# Altium PCB Main_Board.PcbDoc (part 2 of 2) (continued)
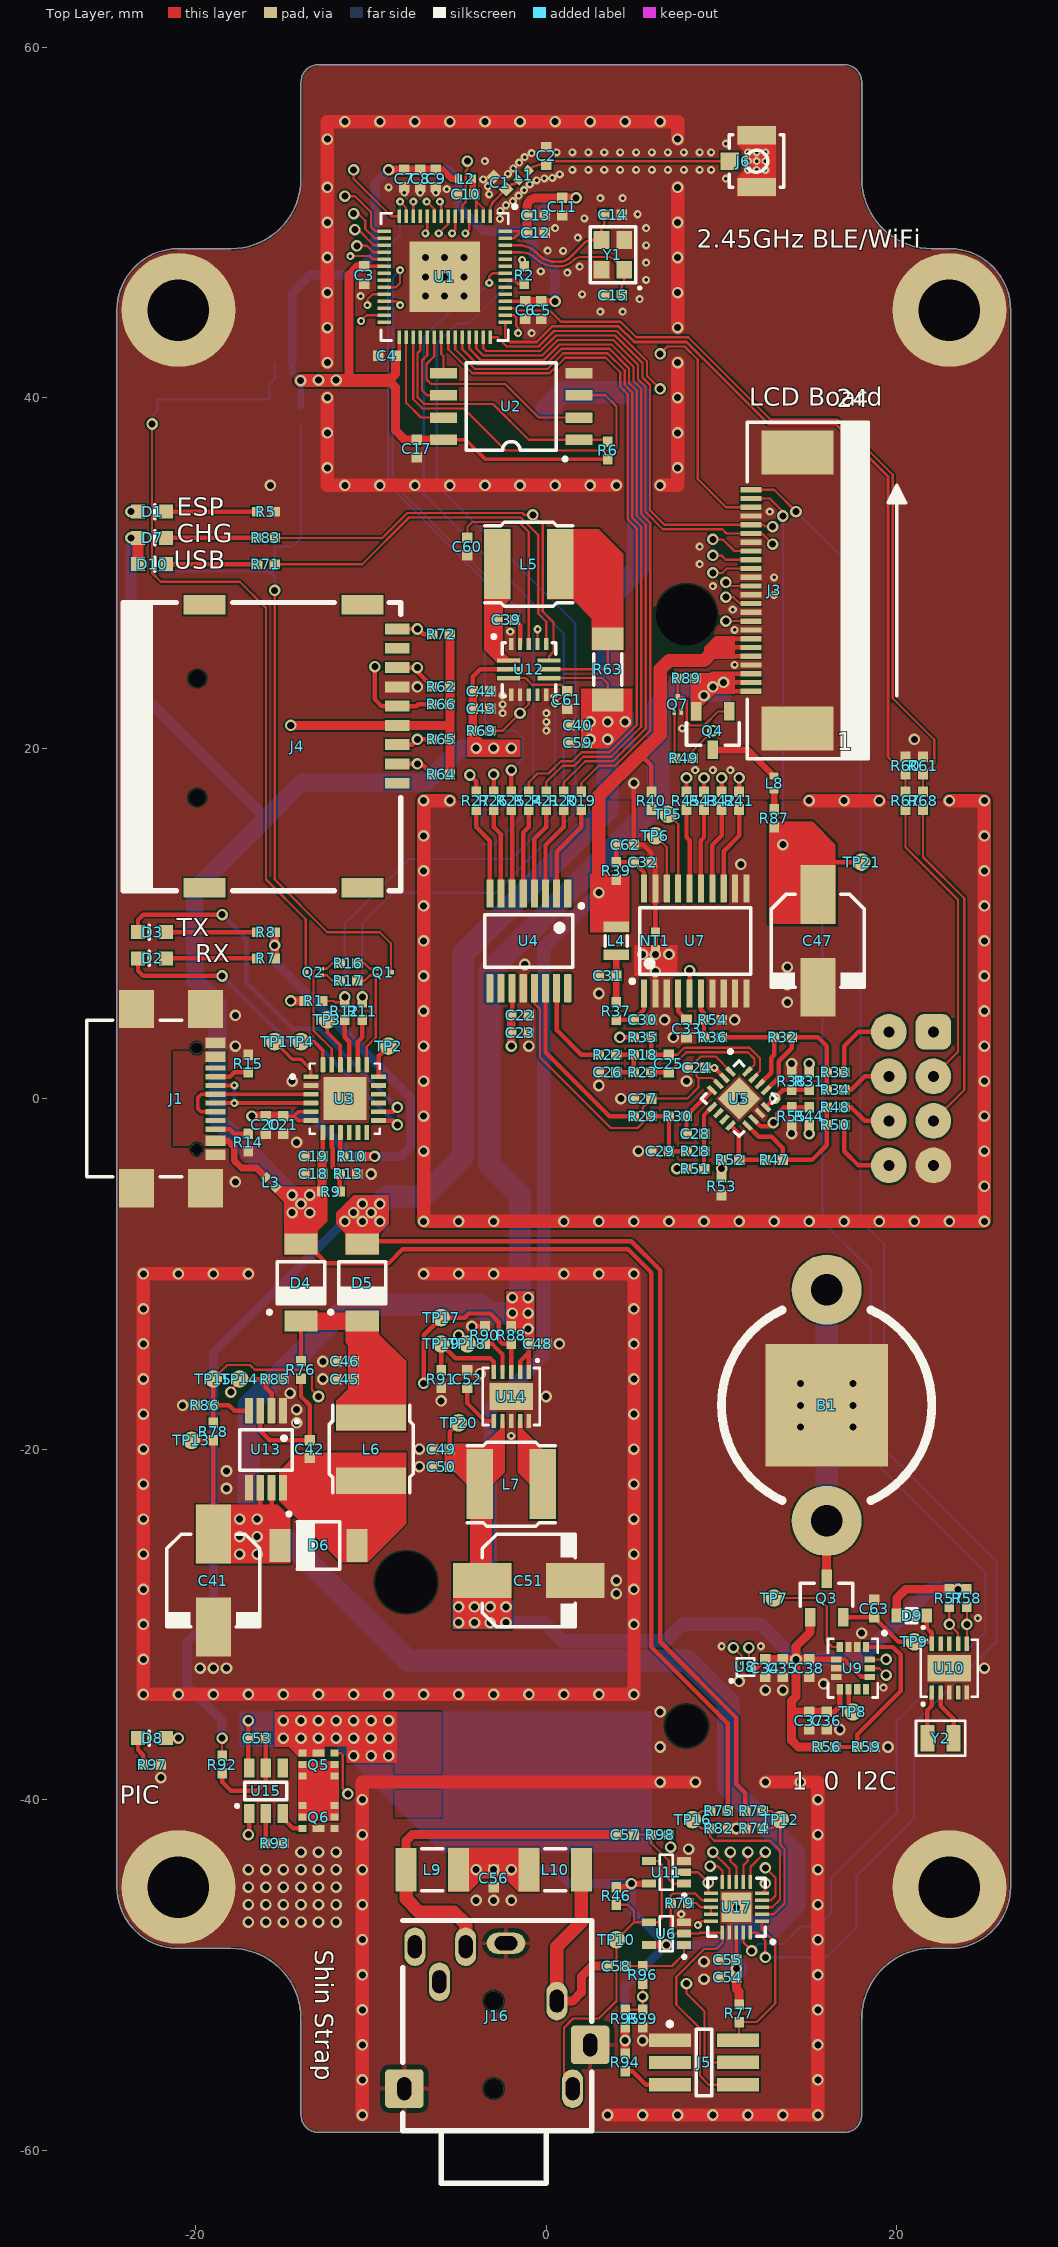
[diagram p0: Top Layer view]
## Nets (pads, with @x,y where several pads share a name; then routed paths per layer and width w, separated by ;. In a path a pad name is that pad's centre, name@x,y a point inside that pad or via, vN(x,y) a via of type N, cw(c..) or ccw(c..) an arc to the next point about the centre after c; other vN are vias at no path point) (continued)
  Top Layer w0.254: R27.2@-4,16.5 -4,15.5 -3.223,14.723 U4.8@-3.223,11.7
NetR29_1: R29.1 U4.14 | length 10.2
  Top Layer w0.254: U4.14@-0.048,6.3 -0.048,2.652 3.604,-1 R29.1@5,-1
NetR31_1: R31.1 R35.2 R38.2 U5.12 | length 14.4
  Top Layer w0.254: v1(4.2,3.5) R35.2@5,3.5 ; U5.12@12.538,-0.477 v1(13.027,0.011) 13.515,0.5 R31.1@15,0.5
  Layer 1 w0.254: v1(4.2,3.5) 7.562,0.138 8.637,0.138 9.151,0.652 12.386,0.652 v1(13.027,0.011)
NetR32_1: R32.1 R36.2 U5.14 | length 6
  Top Layer w0.254: R36.2@10,3.5 R32.1@13,3.5 13,2.504 12.829,2.333 12.829,1.475 U5.14@12.184,0.831
NetR32_2: R32.2 R33.1 R34.1 U5.13 | length 8.3
  Top Layer w0.254: U5.13@12.538,0.477 13.256,1.196 13.256,2.134 14,2.878 R32.2@14,3.5 14.562,3.5 15.5,3.5 16,3 R33.1@16,1.5 R34.1@16,0.5
NetR36_1: R36.1 R54.1 U7.6 | length 2.6
  Top Layer w0.254: U7.6@8.825,6 8.825,5.079 9,4.904 R54.1@9,4.5 R36.1@9,3.5
NetR41_2: R41.2 U7.13 | length 4.9
  Top Layer w0.254: U7.13@10.125,12 10.125,14.125 11,15 R41.2@11,16.5
NetR42_2: R42.2 U7.14 | length 4.7
  Top Layer w0.254: U7.14@9.475,12 9.475,14.475 10,15 R42.2@10,16.5
NetR43_2: R43.2 U7.15 | length 4.6
  Top Layer w0.254: U7.15@8.825,12 8.825,14.749 9,14.924 R43.2@9,16.5
NetR44_1: R44.1 R51.2 R55.2 U5.10 | length 12.6
  Top Layer w0.254: v1(7.45,-4) R51.2@8,-4 ; U5.10@11.831,-1.184 12.234,-1.588 12.745,-1.588 v1(12.962,-1.37) 13.18,-1.153 13.18,-0.869 13.549,-0.5 R55.2@14,-0.5 R44.1@15,-0.5
  Layer 1 w0.254: v1(7.45,-4) 8.191,-4.741 10.259,-4.741 11,-4 11,-2.5 12.13,-1.37 v1(12.962,-1.37)
NetR45_2: R45.2 U7.16 | length 4.6
  Top Layer w0.254: R45.2@8,16.5 8,14.924 8.175,14.749 U7.16@8.175,12
NetR47_1: R47.1 R52.2 U5.8 | length 3.7
  Top Layer w0.254: U5.8@10.523,-1.538 10.975,-1.99 10.975,-3.5 R47.1@12.5,-3.5
NetR47_2: R47.2 R48.1 R50.1 U5.9 | length 8.2
  Top Layer w0.254: U5.9@11.477,-1.538 12.117,-2.178 12.865,-2.178 13.5,-2.813 R47.2@13.5,-3.5 15.161,-3.5 16,-2.661 R50.1@16,-1.5 R48.1@16,-0.5
NetR52_1: R52.1 R53.1 U7.5 | length 20.8
  Top Layer w0.254: U7.5@8.175,6 v1(8.175,7.3) ; R53.1@10,-4.5 v1(10,-4) R52.1@10,-3.5
  Layer 1 w0.254: v1(8.175,7.3) 8.175,2.115 9.19,1.1 13.228,1.1 13.827,0.5 13.827,-0.221 13.37,-0.678 11.822,-0.678 10,-2.5 v1(10,-4)
NetR56_2: R56.2 R59.2 U9.1 | length 9.7
  Top Layer w0.254: R56.2@16.5,-37 R59.2@17.75,-37 17.75,-36.283 20.223,-33.809 20.223,-31.739 19.778,-31.293 U9.1@18.25,-31.293
NetR70_2: R70.2 R84.1 U12.13 | length 14.2
  Top Layer w0.127: U12.13@-0.5,25.95 v2(-0.5,26.788)
  Bottom Layer w0.127: R70.2@-3.7,15.5 R84.1@-3.7,16.5 -2.504,16.5 -0.725,18.278 -0.725,19.837 -0.725,21.395 -0.725,26.563 v2(-0.5,26.788)
NetR91_1: R91.1 TP19.1 U14.5 | length 5.5
  Top Layer w0.254: R91.1@-6,-15.5 TP19.1@-6,-14 -5.172,-14.828 -3.19,-14.828 -3,-15.018 U14.5@-3,-15.603
NetR93_2: R93.2 U15.2 | length 1.7
  Top Layer w0.254: R93.2@-16,-42.5 -16,-41.985 U15.2@-16,-40.8
NetR95_1: R95.1 R96.2 R98.2 R99.2 | length 12.4
  Top Layer w0.127: R95.1@4.5,-52 R99.2@5.5,-52 v1(5.5,-51.243) R96.2@5.5,-50.5 ; R98.2@6.991,-42 7.093,-42.102 v1(7.093,-42.712)
  Layer 4 w0.127: v1(5.5,-51.243) 5.5,-47.11 6.984,-45.626 7.093,-45.517 v1(7.093,-42.712)
NetU10_1: U10.1 Y2.2 | length 2.7
  Top Layer w0.254: Y2.2@21.75,-36.5 21.75,-34.904 22,-34.654 U10.1@22,-33.897
NetU10_2: U10.2 Y2.1 | length 2.9
  Top Layer w0.254: U10.2@22.5,-33.897 22.5,-34.65 23.25,-35.4 Y2.1@23.25,-36.5
nLCD_RESET: J3.9 U1.25 | length 35.6
  Top Layer w0.127: U1.25@-9.254,45.5 -8.566,45.5 v2(-8.349,45.283) ; v1(10.25,27.25) J3.9@11.675,27.25
  Layer 4 w0.127: v2(-8.349,45.283) -8.349,44.616 -2.563,38.83 -2.563,30.563 2.5,25.5 9.174,25.5 10.25,26.576 v1(10.25,27.25)
nMCLR: J5.6 R77.1 U17.1 | length 8.6
  Top Layer w0.127: J5.6@10.95,-53.73 11.001,-53.679 R77.1@11.001,-52.7 12.001,-52.7 13.059,-51.642 13.059,-48.156 12.3,-47.397 U17.1@12.3,-46.95
nSS_CONN: J16.4 R46.1 TP10.1 U6.4 U11.4 | length 19.6
  Top Layer w0.127: J16.4@1.5,-56.5 1.005,-56.005 1.005,-53.015 1.52,-52.5 3,-52.5 4,-51.5 TP10.1@4,-48 5,-47 ; R46.1@4,-46 4.645,-46 5,-46.355 5,-47 ; U11.4@5.85,-43.5 6.36,-43.5 6.586,-43.726 6.586,-46.777 6.362,-47 U6.4@5.85,-47 5,-47
PCM1780_BCK: R26.1 U1.24 | length 34.9
  Top Layer w0.127: v2(-10.213,45.283) -10.213,45.602 -9.916,45.9 U1.24@-9.254,45.9
  Top Layer w0.254: R26.1@-3,17.5 v1(-3,18.5)
  Layer 4 w0.127: v2(-10.213,45.283) -10.149,45.22 -10.149,45.009 -10.146,45.005 -10.146,36.972 -10.468,36.651 -10.468,35.113 -10.468,34.632 -10.97,34.13 -10.97,24.97 -10.97,23.055 -7.875,19.959 -5.966,19.959 -4.996,18.989 -4.151,18.989 -3.663,18.5 v1(-3,18.5)
PCM1780_DATA: R25.1 U1.13 | length 39.1
  Top Layer w0.127: v2(-8.344,51.192) -8,50.847 U1.13@-8,50.354
  Top Layer w0.254: R25.1@-2,17.5 v1(-2,18.75)
  Bottom Layer w0.127: v2(-8.344,51.192) -8.344,49.291 -9.023,48.613 -9.023,46.967 -9.023,35.411 -8.857,35.245 -8.857,34.873 -3.5,29.517 -3.5,21.5 -2.99,20.99 -1.752,20.99 -1.373,20.611 -1.373,19.377 v1(-2,18.75)
PCM1780_LRCK: R27.1 U1.27 | length 33.8
  Top Layer w0.127: v2(-10.568,44.378) -10.568,44.397 -10.265,44.7 -9.773,44.7 U1.27@-9.254,44.7
  Top Layer w0.254: v1(-4.367,18.468) -4,18.101 R27.1@-4,17.5
  Layer 4 w0.127: v2(-10.568,44.378) -10.568,42.919 -10.568,37.136 -10.722,36.983 -10.722,34.737 -11,34.459 -11.765,33.694 -11.765,22.797 -8.673,19.705 -7.705,19.705 -6.733,19.705 -5.496,18.468 v1(-4.367,18.468)
PCM1780_MC: R20.1 U1.38 | length 38.8
  Top Layer w0.127: U1.38@-4.8,43.446 -4.8,42.774 -3.926,41.9 -0.026,41.9 0.863,42.79 3.215,42.79 3.602,42.79 4.725,41.666 4.725,41.28 4.725,40.838 5.014,40.549 5.16,40.404 5.16,33.263 5.674,32.748 5.674,21.117 3.811,19.254 2.217,19.254 1,18.037 R20.1@1,17.5
PCM1780_MD: R21.1 U1.37 | length 39.6
  Top Layer w0.127: U1.37@-5.2,43.446 -5.2,42.769 -4.077,41.646 0.079,41.646 0.968,42.536 3.184,42.536 3.496,42.536 4.471,41.561 4.471,41.249 4.471,40.733 4.69,40.514 4.76,40.444 4.852,40.352 4.906,40.298 4.906,33.158 5.42,32.643 5.42,21.223 3.706,19.508 2.112,19.508 1.604,19 0.936,19 0,18.064 R21.1@0,17.5
PCM1780_nMS: R19.1 U1.39 | length 38
  Top Layer w0.127: U1.39@-4.4,43.446 -4.4,42.803 -3.751,42.154 -0.131,42.154 0.642,42.928 0.758,43.044 3.387,43.044 3.707,43.044 4.979,41.772 4.979,41.452 4.979,40.944 5.414,40.509 5.414,33.368 5.928,32.853 5.928,21.012 3.916,19 3,19 2,18 R19.1@2,17.5
PCM1780_SCK: R24.1 U1.36 | length 40.4
  Top Layer w0.127: U1.36@-5.6,43.446 -5.6,42.77 -4.222,41.392 0.184,41.392 0.323,41.531 0.37,41.578 1.074,42.282 3.391,42.282 4.217,41.456 4.217,40.628 4.436,40.409 4.598,40.247 4.652,40.193 4.652,33.052 4.978,32.726 5.028,32.676 5.166,32.537 5.166,21.328 3.601,19.762 2.007,19.762 1.499,19.254 0.831,19.254 0.13,18.554 -0.499,18.554 -1,18.052 R24.1@-1,17.5
PIC_LED: D8.1 U17.10 | length 36
  Top Layer w0.127: v1(9.349,-43.804) 9.792,-43.804 10.05,-44.062 U17.10@10.05,-44.7
  Top Layer w0.254: D8.1@-21.7,-36.5 v1(-21,-36.5)
  Layer 4 w0.127: v1(-21,-36.5) -19.301,-38.199 -14.408,-38.199 4.584,-38.199 8.739,-42.354 8.739,-43.195 v1(9.349,-43.804)
SD_CD: J4.9 R72.1 U1.17 | length 29.1
  Top Layer w0.127: v1(-10.92,49.595) -10.74,49.595 -9.844,48.7 U1.17@-9.254,48.7
  Top Layer w0.254: J4.9@-8.5,26.8 v1(-7.362,26.8) -7.316,26.8 -7.016,26.5 R72.1@-6.5,26.5
  Layer 4 w0.127: v1(-10.92,49.595) -9.023,47.699 -9.023,42.606 -6.493,40.076 -6.493,27.669 v1(-7.362,26.8)
SD_CS: J4.2 R64.1 U1.15 | length 42.6
  Top Layer w0.127: v1(-11.5,51.5) -10.923,51.5 -10.004,50.581 -10.004,49.752 -9.752,49.5 U1.15@-9.254,49.5
  Top Layer w0.254: J4.2@-8.5,19.1 v1(-7.362,19.1) -7.284,19.022 -7.022,19.022 -6.673,18.673 -6.673,18.648 -6.525,18.5 R64.1@-6.5,18.5
  Layer 4 w0.127: v1(-11.5,51.5) -11.602,51.398 -11.922,51.078 -11.922,50.185 -11.922,42.798 -11.203,42.08 -11.203,35.385 -11.018,35.2 -11.018,34.8 -11.203,34.615 -12.571,33.247 -12.571,22.541 -9.13,19.1 v1(-7.362,19.1)
SPI_SCK: J4.5 R42.1 R66.1 U1.18 | length 56.9
  Top Layer w0.127: v1(-10.808,48.668) -10.238,48.668 -9.869,48.3 U1.18@-9.254,48.3
  Top Layer w0.254: v1(-9.781,24.648) -9.781,22.781 -9.4,22.4 J4.5@-8.5,22.4 -7.408,22.4 -7.308,22.5 R66.1@-6.5,22.5 ; R42.1@10,17.5 v1(10,18.3)
  Layer 4 w0.127: v1(-10.808,48.668) -9.277,47.138 -9.277,41.529 -8.333,40.585 -8.333,34.201 -9.781,32.754 v1(-9.781,24.648) -9.309,25.121 -6.938,25.121 -6.014,24.197 4.098,24.197 8.781,19.514 9.761,19.514 10,19.274 v1(10,18.3)
SPI_SDI: J4.7 R43.1 R62.1 U1.19 | length 53.1
  Top Layer w0.127: v2(-11.178,48.085) -10.074,48.085 -9.889,47.9 U1.19@-9.254,47.9
  Top Layer w0.254: J4.7@-8.5,24.6 v1(-7.362,24.6) -7.284,24.522 -7.284,24.284 -6.673,23.673 -6.673,23.648 -6.525,23.5 R62.1@-6.5,23.5 ; R43.1@9,17.5 v1(9,18.3)
  Layer 4 w0.127: v2(-11.178,48.085) -9.531,46.438 -9.531,40.568 -9.018,40.055 -9.018,33.876 -10.092,32.802 -10.092,25.074 -10.302,24.864 -10.302,24.433 -9.997,24.128 -7.834,24.128 v1(-7.362,24.6) -6.388,23.626 3.674,23.626 8.086,19.214 8.78,19.214 9,18.994 v1(9,18.3)
SPI_SDO: J4.3 R45.1 R65.1 U1.16 | length 54.4
  Top Layer w0.127: v1(-11,50.5) -10.725,50.5 -10.33,50.105 -10.33,49.632 -9.798,49.1 U1.16@-9.254,49.1 ; R65.1@-6.525,20.5 R65.1@-6.5,20.5
  Top Layer w0.254: J4.3@-8.5,20.2 -7.662,20.2 v1(-7.362,20.5) ; v1@-7.256,20.499 -6.526,20.499 R65.1@-6.525,20.5 ; R45.1@8,17.5 v1(8,18.3)
  Layer 4 w0.127: v1(-11,50.5) -11.645,49.855 -11.645,47.72 -9.785,45.861 -9.785,36.705 -10.101,36.39 -10.101,33.153 -10.349,32.904 -10.349,25.176 -10.556,24.969 -10.556,24.327 -10.556,23.694 v1(-7.362,20.5) -5.595,20.5 -4.497,19.402 6.898,19.402 v1(8,18.3)
SPICLK: U1.33 U2.6 | length 4.5
  Top Layer w0.127: U1.33@-6.8,43.446 -6.8,42.415 -7.092,42.123 -7.092,40.426 -6.801,40.135 U2.6@-5.87,40.135
SPICS0: R6.1 U1.32 U2.1 | length 15.3
  Top Layer w0.127: U1.32@-7.2,43.446 -7.2,42.7 -7.346,42.554 -7.346,40.019 -6.972,39.645 -3.048,39.645 -0.998,37.595 U2.1@1.87,37.595 R6.1@3.5,37.595
SPID: U1.35 U2.5 | length 2.1
  Top Layer w0.127: U1.35@-6,43.446 -6,42.5 -5.87,42.37 U2.5@-5.87,41.405
SPIHD: U1.30 U2.7 | length 6.2
  Top Layer w0.127: U1.30@-8,43.446 -8,39.715 -7.15,38.865 U2.7@-5.87,38.865
SPIQ: U1.34 U2.2 | length 12.2
  Top Layer w0.127: U1.34@-6.4,43.446 -6.4,42.365 -6.838,41.927 -6.838,41.335 -6.835,41.332 -6.835,41.044 -6.571,40.779 -2.349,40.779 -0.435,38.865 U2.2@1.87,38.865
SPIWP: U1.31 U2.3 | length 21.2
  Top Layer w0.127: U1.31@-7.6,43.446 -7.6,39.913 -7.077,39.391 -4.722,39.391 -2.322,36.991 3.146,36.991 3.852,36.991 4,37.139 4,39.5 3.365,40.135 U2.3@1.87,40.135
USB_VBUS: C18.2 C19.2 C43.2 C44.2 D4.2 D7.1 D10.1 L3.2 R9.1 R69.1 R75.2 U3.7 U12.2 | length 122.8
  Top Layer w0.254: -14,-7.7 -14,-7.95 -13.05,-8.9 -12.547,-9.403 -9.009,-9.403 -8.191,-8.585 4.654,-8.585 6,-9.931 6,-31.307 10.35,-35.657 10.35,-38.623 R75.2@10.35,-40.65 ; C19.2@-12.8,-3.3 -12.75,-3.25 U3.7@-12.75,-1.935 ; C44.2@-4.2,23.261 -4.2,24.07 -3.77,24.5 U12.2@-2.15,24.5
  Top Layer w0.508: R9.1@-12.8,-5.3 C18.2@-12.8,-4.3 C19.2@-12.8,-3.3 ; R69.1@-4.2,21 C43.2@-4.2,22.262 C44.2@-4.2,23.261
  Top Layer w0.635: D10.1@-23.3,30.5 D7.1@-23.3,32
  Bottom Layer w0.635: v1(-23.7,32) -23.7,23.7 -16,16
  Bottom Layer w1.016: v1(-14.5,-5.5) -18.759,-1.241 -18.759,5.47 -20.061,6.773 -20.061,11.939 -16,16 -13.951,18.049 -6.838,18.049 -4.887,20 v1(-4,20)
  other v1: -14.5,-6.5 -13.5,-6.5 -14,-6 -13.5,-5.5 -3,20 -2,20
USB_VBUS_FB: R75.1 R82.2 TP16.1 U17.3 | length 11.2
  Top Layer w0.127: R75.1@9.35,-40.65 8.85,-40.65 TP16.1@8.35,-41.15 8.85,-41.65 R82.2@9.35,-41.65 9.35,-42.119 9.579,-42.349 12.773,-42.349 13.332,-42.908 13.332,-45.712 12.894,-46.15 U17.3@12.3,-46.15
V_BATT: BT1.1 C40.2 C59.2 D5.2 R63.2 R73.2 R92.1 U12.9 | length 149.4
  Top Layer w0.127: R92.1@-18.5,-37.5 v1(-18.5,-36.5) ; U12.9@0.151,24.001 3.194,24.001 3.5,23.694 R63.2@3.5,22.75
  Top Layer w0.254: D5.2@-10.5,-8.3 -10.334,-8.134 4.852,-8.134 6.5,-9.782 6.5,-31 10.85,-35.35 10.85,-39.124 11.35,-39.624 R73.2@11.35,-40.65
  Bottom Layer w0.508: v1(-18.5,-36.5) -18.5,-35.5 -20.5,-33.5 -20.5,-31 -19,-29.5 -19,-14.5 v1(-11.5,-7)
  Bottom Layer w1.27: v1(-9.5,-6) -9.086,-5.586 -7.028,-5.586 -4.721,-3.279 -4.721,8.273 3.5,16.494 v1(3.5,20.5) v1(3.5,21.5) 3.5,28.513 5.228,30.241 5.228,40.312 0.962,40.312 BT1.1@0,39.35
  other v1: -10.5,-7 -9.5,-7 -11,-6.5 -10,-6.5 -10.5,-6 2.5,20.5 2.5,21.5 4.5,21.5
V_BATT_FB: R73.1 R74.2 TP12.1 U17.2 | length 8.8
  Top Layer w0.127: U17.2@12.3,-46.55 12.981,-46.55 13.5,-46.031 13.586,-45.946 13.586,-45.817 13.586,-42.803 13.35,-42.567 TP12.1@13.35,-41.15 ; R74.2@12.35,-41.65 12.85,-41.65 TP12.1@13.35,-41.15 ; R73.1@12.35,-40.65 12.85,-40.65 TP12.1@13.35,-41.15
VDD_3V3: C3.2 C4.2 C5.2 C6.2 C7.2 C8.2 C9.2 C11.2 C12.2 C13.2 C17.2 C34.1 C35.2 C36.2 C37.2 C38.2 C49.2 C50.2 C51.1 D9.2 J3.5 J3.6 J3.7 J4.4 L2.1 L4.2 L7.2 Q3.1 R1.2 R3.1 R4.1 R6.2 R39.2 R40.2 R56.1 R57.2 R58.2 R62.2 R64.2 R65.2 R66.2 R72.2 TP20.1 U1.20 U1.29 U1.46 U1.55 U1.56 U2.8 U8.B1 U9.5 U9.8 U9.12 U14.7 | length 311.2
  Top Layer w0.15: U1.55@-2.346,49.1 -1.843,49.1 -1.543,49.4 C12.2@-1.1,49.4 -1.2,49.5 U1.56@-2.346,49.5
  Top Layer w0.203: C3.2@-10.4,47.5 U1.20@-9.254,47.5 ; C4.2@-8.6,42.4 -8.4,42.6 U1.29@-8.4,43.446 ; U2.8@-5.87,37.595 -4.598,37.595 -3.503,36.5 R6.2@3.5,36.5 ; U1.46@-2.346,45.5 C6.2@-1.2,45.5
  Top Layer w0.229: U8.B1@11.564,-32.627 11.872,-32.627 C34.1@12.5,-32
  Top Layer w0.254: C49.2@-5.5,-20 -5.5,-19 TP20.1@-5,-18.5 ; 5.25,19.75 5.362,19.638 6,19 R40.2@6,17.5 ; J3.5@11.675,25.25 10.25,25.25 10.25,25.75 ; J3.6@11.675,25.75 10.25,25.75 ; J3.7@11.675,26.25 10.25,26.25 10.25,25.75 ; U9.5@16.541,-32 16.982,-32 17.983,-33 U9.12@18.459,-33
  Top Layer w0.305: C38.2@15,-32 U9.5@16.541,-32 ; C36.2@16,-35 16.411,-35 16.75,-34.661 U9.8@16.75,-33.706
  Top Layer w0.381: C9.2@-6.3,53 -5.927,53 -5.427,52.5 L2.1@-5,52.5 ; C5.2@-0.3,45.5 0,45.5 v1(0.5,45.5)
  Top Layer w0.508: v1(-14.585,5.575) R1.2@-13.785,5.575 ; v1(-14.585,21.3) J4.4@-8.5,21.3 -5.564,21.3 -5.5,21.236 ; -11.255,40.979 -11.255,47 -10.755,47.5 C3.2@-10.4,47.5 ; v1(-9,53) C7.2@-8.1,53 C8.2@-7.2,53 C9.2@-6.3,53 ; C4.2@-8.6,42.4 -8.6,41.379 -9,40.979 -8.6,40.579 -8.6,38.13 -8.07,37.6 C17.2@-7.4,37.6 ; C17.2@-7.1,37.6 U2.8@-5.87,37.6 ; R64.2@-5.5,18.5 R65.2@-5.5,20.5 -5.5,21.236 ; R72.2@-5.5,26.5 R62.2@-5.5,23.5 R66.2@-5.5,22.5 -5.5,21.236 ; C6.2@-1.2,45.5 C5.2@-0.3,45.5 ; C12.2@-1.1,49.4 C13.2@-1.1,50.4 -1.1,50.884 cw(c-0.584,50.884) -0.584,51.4 C11.2@0.9,51.4 v1(1.7,51.4) ; C34.1@12.5,-32 C35.2@13.5,-32 ; C35.2@13.5,-32 v1@14.25,-32 ; C38.2@15,-32 v1@14.25,-32 ; Q3.1@15.05,-29.6 15.05,-30.45 14.25,-31.25 v1@14.25,-32 ; R56.1@15.5,-37 14.381,-37 14,-36.619 14,-35 ; C36.2@16,-35 C37.2@15,-35 14,-35 ; D9.2@20,-29.5 20,-28.5 20.5,-28 R57.2@23,-28 v1(23.5,-28) R58.2@24,-28 ; 14,-35 14,-34.373 14.25,-34.123 v1(14.25,-32.001)
  Top Layer w0.762: v1(-14.021,40.979) -11.255,40.979 -9,40.979 ; 4,11.15 3,12.15 3,17.275 5.362,19.638 6.5,20.775 6.5,24.5 7,25 9,25 9.5,25.5
  Top Layer w1.27: L7.2@-3.8,-22 -3.725,-22.075 -3.725,-27.425 C51.1@-3.65,-27.5
  Layer 4 w0.762: v1(-14.021,40.979) -14.021,39.852 -14.585,39.288 v1(-14.585,21.3) v1(-14.585,5.575) -14.585,3.01 -12.514,0.939 -12.514,-9.736 -10.875,-11.375 -4.625,-11.375 -2.75,-13.25 -2.75,-18.15 -4.1,-19.5 v1(-4.1,-29)
  Bottom Layer w0.381: R3.1@-14.5,42 -14.5,41.458 v1(-14.021,40.979) -14.011,40.968 -14.011,39.511 R4.1@-14,39.5
  Bottom Layer w0.508: R3.1@-14.5,42 -14.5,46 -13.5,47 -11,47 -9.765,48.235 -9.765,52.235 v1(-9,53) -5.603,53 -5,52.397 -5,50.927 -3.573,49.5 -1.5,49.5 ; v1(0.5,45.5) 0.5,47.244 -0.079,47.823 -0.447,47.823 -0.737,48.113 -0.737,48.737 -1.5,49.5 ; v1(1.7,51.4) 0.4,51.4 -1.5,49.5
  Bottom Layer w0.762: v1(-3.2,-29) -3.2,-17.7 -0.155,-14.655 -0.155,8.595 v1(3,11.75) ; v1(-2.3,-29.9) -0.123,-29.9 0.905,-30.928 6.822,-30.928 7.75,-30 12.249,-30 v1(14.25,-32.001) 17.922,-32.001 21.923,-28 v1(23.5,-28)
  other v1: -5,-29.9 -4.1,-29.9 -3.2,-29.9 -5,-29 -2.3,-29 -13,41 -12,41
VDD_3V3_CE: R90.2 TP18.1 U14.4 U17.6 | length 51.1
  Top Layer w0.127: U17.6@11.65,-44.7 11.65,-43.85 v1(12.5,-43)
  Top Layer w0.254: v1(-5,-13.5) TP18.1@-4.5,-14 -4.411,-14.089 TP18.1@-4.15,-14.089 ; TP18.1@-4.061,-14 R90.2@-3.5,-14 -3.098,-14 -2.5,-14.598 U14.4@-2.5,-15.603
  Layer 4 w0.127: v1(-5,-13.5) -5,-27.65 -5.805,-28.455 -5.805,-30.389 -5.137,-31.057 7.979,-31.057 11.754,-34.832 11.754,-39.129 12.5,-39.875 v1(12.5,-43)
VDD_3V3_PGOOD: R88.1 TP17.1 U14.3 U17.7 | length 55.2
  Top Layer w0.127: U17.7@11.25,-44.7 11.25,-43.75 11.5,-43.5 v1(11.5,-43)
  Top Layer w0.254: v1(-7,-16.25) -7,-13.5 TP17.1@-6,-12.5 -4.663,-12.5 -4.424,-12.261 -3.207,-12.261 -2.714,-12.754 -2.714,-13.78 -2.493,-14 R88.1@-2,-14 U14.3@-2,-15.603
  Layer 4 w0.127: v1(-7,-16.25) -7,-19.568 -6.059,-20.509 -6.059,-31.184 -5.412,-31.832 7.848,-31.832 10.943,-34.927 10.943,-39.982 11.5,-40.54 v1(11.5,-43)
VDD_5V: C41.1 C48.2 C54.2 C55.2 C56.2 D6.1 J3.1 J3.2 J3.3 L9.2 L10.2 Q4.2 R46.2 R77.2 R78.2 R88.2 R89.2 R94.2 R95.2 TP13.1 U6.5 U11.5 U13.6 U13.7 U14.1 U14.2 U17.18 | length 171.8
  Top Layer w0.203: C55.2@10.85,-49.15 U17.18@10.85,-47.6
  Top Layer w0.254: TP13.1@-20.25,-19.5 R78.2@-19,-19.5 C41.1@-19,-24.85 ; U13.6@-16.325,-22.2 -16.325,-23.175 -16,-23.5 -15.675,-23.175 U13.7@-15.675,-22.2 ; U14.2@-1.5,-15.603 -1.5,-15 -1,-14.5 ; U14.1@-1,-15.603 -1,-14.5 ; C48.2@-1,-14 -1,-14.5 ; Q4.2@8.55,22.1 8.55,23.25 ; R89.2@8.55,24.05 R89.2@8.5,24 ; J3.1@11.675,23.25 8.55,23.25 ; J3.2@11.675,23.75 v1(10.113,23.75) R89.2@8.55,23.75 ; J3.3@11.675,24.25 9.472,24.25 9.222,24 R89.2@8.5,24 ; R89.2@8.5,24 8.55,23.95 R89.2@8.55,23.75 ; 8.55,23.25 R89.2@8.55,23.75
  Top Layer w0.381: R46.2@4,-45 4.65,-45 v1(4.85,-44.8) U11.5@5.85,-44.8 ; U6.5@5.851,-48.299 v1(6.846,-48.299)
  Top Layer w0.508: C48.2@-1,-14 C48.2@-1,-13.954 ; R94.2@4.5,-54.5 R95.2@4.5,-53 ; C55.2@10.85,-49.15 v1(10.85,-49.65) C54.2@10.85,-50.15 10.85,-50.811 11.001,-50.962 R77.2@11.001,-51.7
  Bottom Layer w0.508: v1(-2,-44) 0.5,-44 1.3,-44.8 v1(4.85,-44.8) 4.85,-46.303 v1(6.846,-48.299) ; v1(4.5,-53.75) 4.5,-50.645 v1(6.846,-48.299) ; 10.438,-47.975 10.115,-48.299 v1(6.846,-48.299)
  Bottom Layer w1.27: -17,-24.5 -17,-17.5 -11.25,-11.75 -3.791,-11.75 -3.294,-12.247 v1(-1.934,-12.247) ; v1(-16.5,-25) -15,-25 -7.929,-32.071 8.027,-32.071 10.383,-34.427 10.383,-39.276 14.165,-43.058 14.165,-46 12.913,-47.252 11.162,-47.252 10.438,-47.975 10.438,-49.238 v1(10.85,-49.65) ; -1.5,-12 -1.5,-5.5 -3.25,-3.75 -3.25,7.25 6.392,16.892 6.392,22.392 7.5,23.5 v1(9.5,23.5)
  other v1: -4,-44 -3,-44 -17.5,-26 -16.5,-26 -17.5,-25 -17.5,-24 -16.5,-24 -1.041,-13.14 -1.041,-12.247 -1.934,-11.353 -1.041,-11.353 9,23
VDD_5V_EN: R85.2 TP14.1 U13.2 U17.9 | length 52.8
  Top Layer w0.127: v1(-18,-16.75) -18,-16.625 -17.4,-16.025 TP14.1@-17.275,-16.025 ; U13.2@-15.675,-17.8 U13.2@-15.675,-17.3 ; v1(9.5,-43) 10.45,-43.95 U17.9@10.45,-44.7
  Top Layer w0.254: TP14.1@-17.5,-16 R85.2@-16,-16 -16,-16.5 -15.675,-16.825 U13.2@-15.675,-17.3
  Layer 4 w0.127: v1(-18,-16.75) -14.883,-19.867 -14.883,-25.493 -7.115,-33.262 7.429,-33.262 9.333,-35.167 9.5,-35.333 v1(9.5,-43)
VDD_5V_FB: R78.1 R86.2 TP15.1 U13.4 U17.8 | length 58
  Top Layer w0.127: TP15.1@-19,-16 -18.205,-15.205 -16.905,-15.205 -16.632,-15.477 -13.618,-15.477 -13.37,-15.726 -13.37,-16.63 v1(-13,-17) ; v1(10.5,-43) 10.5,-43.5 10.85,-43.85 U17.8@10.85,-44.7
  Top Layer w0.254: R78.1@-19,-18.5 R86.2@-19,-17.5 ; TP15.1@-19,-16 R86.2@-19,-17.5 ; U13.4@-16.975,-17.8 -17.815,-17.8 -18.115,-17.5 R86.2@-19,-17.5
  Layer 4 w0.127: v1(-13,-17) -13,-25.92 -6.332,-32.588 7.617,-32.588 10.212,-35.184 10.212,-42.712 v1(10.5,-43)
VDD_5VA: C22.2 C23.2 C24.2 C47.1 J2.1 R31.2 R44.2 R87.2 TP21.1 U4.11 U5.2 | length 67.5
  Top Layer w0.254: C22.2@-2,4.75 -1.953,4.798 U4.11@-1.953,6.3 ; C24.2@9.076,1.76 v2(9.593,1.76) U5.2@10.169,1.184 ; R87.2@13,15.5 13,15 14.5,13.5 TP21.1@18,13.5
  Top Layer w0.508: v1(-2,3) C23.2@-2,3.75 C22.2@-2,4.75 ; v1(15,-2) R44.2@15,-1.5 ; R31.2@15,1.5 v1(15,2)
  Layer 1 w0.762: v1(-2,3) -2,0.563 4.063,-5.5 10.75,-5.5 12.5,-3.75 13.75,-3.75 15,-2.5 v1(15,-2) v1(15,2) 15,4 ; v2(9.593,1.76) 11.833,4 15,4 ; v1(13.5,14.5) 13.5,12 17,8.5 17,6 ; J2.1@22.09,3.81 22.09,5.41 21.5,6 17,6 ; 15,4 17,6
VDD_5VA_EN: R49.2 U1.42 | length 37.9
  Top Layer w0.127: U1.42@-3.2,43.446 -2.788,43.446 -2.259,42.916 -0.447,42.916 0.442,43.806 4.023,43.806 5.741,42.087 5.741,41.259 v1(6.5,40.5) ; R49.2@8.275,19.241 R49.2@8.275,19.422 ; R49.2@8.349,19.422 8.349,19.849 v1(9.5,21)
  Layer 4 w0.127: v1(6.5,40.5) 7.682,40.5 11.992,36.19 11.992,23.492 v1(9.5,21)
VDD_CP2102: C20.2 C21.2 R7.2 R8.2 R10.2 U3.5 U3.6 | length 31.8
  Top Layer w0.203: C21.2@-15,-1 -14.409,-1 ; U3.6@-13.435,-1.25 -14.159,-1.25 -14.409,-1 ; U3.5@-13.435,-0.75 -14.159,-0.75 -14.409,-1
  Top Layer w0.508: v1(-16.8,-1) C20.2@-16,-1 C21.2@-15,-1 ; R7.2@-15.5,8 v1(-15.5,8.75) R8.2@-15.5,9.5 ; R10.2@-10.6,-3.3 v1(-9.8,-3.3)
  Bottom Layer w0.508: v1(-16.8,-1) -13.38,-1 -11.08,-3.3 v1(-9.8,-3.3) -8.3,-3.3 -7.734,-2.734 -7.734,0.041 -15.5,7.807 v1(-15.5,8.75)
pads on no net: BT1.0 J1. J1.A8 J1.B8 J4.0 J4.1 J4.8 J5.2 J16. J16.5 J16.6 U1.11 U1.21 U1.22 U1.26 U1.28 U1.47 U1.48 U1.51 U1.52 U3.10 U3.11 U3.12 U3.15 U3.16 U3.17 U4.1 U4.9 U4.10 U4.16 U5.6 U5.7 U9.10 U9.11 U10.4 U10.8 U10.9 U12.7 U15.4

## Polygon pours and split planes (outlines as drawn)
A_GND on Top Layer "NONET_L02_P-001" (solid, pour order 0): 25,-7 25,17 -7,17 -7,-7
GND on Top Layer "NONET_L02_P-001" (solid, remove dead copper, pour order 7): 26.5,-59 26.5,59.005 -24.5,59.005 -24.5,-59
GND on Top Layer "NONET_L02_P-001" (solid, pour order 4): -11.5,-41 -11.5,-40.17 -13.225,-40.17 -13.225,-35.003 -16.5,-35.003 -16.5,-41
NetBT1_2 on Top Layer "NONET_L02_P-001" (solid, pour order 2): -8.65,-41 -8.65,-37.759 -10,-37.759 -10,-35.003 -6,-35.003 -6,-41
NetJ1_A4/B9 on Top Layer "NONET_L02_P-001" (solid, pour order 1): -18.3,-2.7 -18.3,-2.1 -19.4,-2.1 -19.4,2.1 -18.3,2.1 -18.3,2.7 -21.3,2.7 -21.3,-2.7
GND on Layer 4 "NONET_L02_P-001" (solid, remove dead copper, pour order 5): 26.5,-59 26.5,59.005 -24.5,59.005 -24.5,-59
A_GND on Layer 4 "NONET_L02_P-001" (solid, pour order 3): 25,-7 25,17 -7,17 -7,-7
GND on Layer 1 "NONET_L02_P-001" (solid, remove dead copper, pour order 8): 26.5,-59 26.5,59.005 -24.5,59.005 -24.5,-59
GND on Bottom Layer "NONET_L02_P-001" (solid, remove dead copper, pour order 9): 26.5,-59 26.5,59.005 -24.5,59.005 -24.5,-59

## Keep-outs
Keep-Out Layer:
  the board outline again, w0.01

## Other copper
Top Layer:
  rectangle net A_GND: 5,7 7.5,8.754
  rectangle net VDD_3V3: -5.325,-30.259 -1.975,-26.5
  region net NetBT1_2: -12.67,-37.55 -12.67,-36.95 -11.397,-36.95 -11.397,-37.903 -8.549,-37.903 -8.549,-35 -15.5,-35 -15.5,-37 -14.7,-37 -14.15,-37.55
  region net VDD_5V: -0.4,-42.75 -5.6,-42.75 -5.6,-45.25 -4.4,-45.25 -3.631,-44.481 -2.369,-44.481 -1.6,-45.25 -0.4,-45.25
  region net V_BATT: 4.893,23.4 2,23.4 2,20 3.557,20 4.893,21.336
  region net USB_VBUS: -3.9,21.275 -3.9,20.772 -3.598,20.47 -1.5,20.47 -1.5,19.5 -4.5,19.5 -4.5,21.275
  region net NetC39_1: -2.05,28.5 -2.05,32.5 -3.55,32.5 -3.55,25.625 -2.8,24.875 -1.5,24.875 -1.5,25.125 -2.125,25.125 -2.5,25.5 -2.498,25.502 -2.498,28.052
  region net NetL5_2: 2.6,25.6 2.6,27.4 1.5,28.5 0.05,28.5 0.05,32.5 3,32.5 4.4,31.1 4.4,25.6
  region net GND: 10.9,51.5 10.9,52.55 11.5,53.15 11.5,53.85 10.9,54.45 10.9,55.5 13.1,55.5 13.1,51.5
  region net VDD_3V3: 2.5,12.8 2.5,9.5 4.725,9.5 4.725,12.8 4,12.8
  region net VDD_3V3: 10.75,26.4 9.632,26.4 9,25.768 9,25.1 10.75,25.1
  region net V_BATT: -9.55,-8.9 -9.55,-7.7 -9,-7.15 -9,-5.5 -11,-5.5 -12,-6.5 -12,-7.15 -11.45,-7.7 -11.45,-8.9
  region net VDD_5V: -1.3,-14.3 -1.3,-13.725 -1.725,-13.3 -2.275,-13.3 -2.275,-11 -0.7,-11 -0.7,-14.3
  region net VDD_5V: 8.85,21.575 8.85,22.35 9.6,23.1 10.744,23.1 10.744,24.275 8.25,24.275 8.25,21.575
  region net VDD_5VA: 16.5,9.975 16.5,14.5 15.2,15.8 12.725,15.8 12.725,9.975
  region net NetQ5_1: -14.15,-37.8 -14.15,-41.2 -11.85,-41.2 -11.85,-37.8
  region net USB_VBUS: -12.5,-5.025 -15.121,-5.025 -15.399,-4.747 -15.753,-5.101 -14.95,-5.904 -14.95,-8.9 -13.05,-8.9 -13.05,-7.55 -12.5,-7
  region net VDD_3V3: -3.5,-19.7 -5.8,-19.7 -5.8,-21.3 -5.25,-21.3 -4.55,-22 -3.05,-22 -2.373,-21.323 -2.373,-18.397 -2.627,-18.397 -2.627,-18.827
  region net NetL7_1: -1.373,-18.397 -1.373,-18.827 0.55,-20.75 0.55,-22 -0.95,-22 -1.627,-21.323 -1.627,-18.397
  region net NetC42_2: -15.227,-21.475 -15.227,-22.96 -11.737,-26.45 -10.2,-26.45 -8,-24.25 -8,-20.2 -14.2,-20.2 -15.25,-21.25 -15.25,-22.2
  region net VDD_5V: -14.6,-23.9 -15.325,-23.175 -20,-23.175 -20,-26.525 -14.6,-26.525
  region net NetC45_2: -11.45,-12.1 -11.45,-13.941 -11.3,-14.091 -11.3,-16.55 -12,-17.25 -12,-18.95 -8,-18.95 -8,-15 -9.55,-13.45 -9.55,-12.1
Layer 1:
  pour cut-out: 25,-7 25,17 -7,17 -7,-7
Layer 4:
  rectangle net VDD_3V3: -14.421,40.566 -11.607,41.395
  rectangle net VDD_3V3: -5.325,-30.259 -1.975,-28.64
Bottom Layer:
  rectangle net VDD_5V: -4.5,-44.5 -1.5,-43.5
  rectangle net VDD_3V3: -5.385,-30.296 -1.885,-28.609
  rectangle net USB_VBUS: -4.5,19.5 -1.581,20.5
  rectangle net USB_VBUS: -15,-7 -13,-5
  rectangle net VDD_5V: 8.662,22.64 10.515,24.139
  rectangle net VDD_5V: -2.275,-13.5 -0.7,-11
  rectangle net VDD_5V: -18,-26.5 -16,-23.5
  region net NetBT1_2: 6,-43 -6,-43 -12,-37 -17.5,-37 -17.5,-35 6,-35
  region net V_BATT: -9,-7.5 -12,-7.5 -12,-6.5 -11,-5.5 -9,-5.5
  region net V_BATT: 2,22 2,20 5,20 5,22

## Silkscreen, mask and mechanical layers (free items; w line width, h text height)
Top Overlay:
  region: 20.5,34 20,35 19.5,34
  lines w0.2: 20,23 20,35 ; 20,35 20.5,34 19.5,34 20,35
  text "2.45GHz BLE/WiFi" at 8.575,48.208 h1.78
  text "LCD Board" at 11.575,39.208 h1.78
  text "ESP" at -21.089,32.911 h1.78
  text "CHG" at -21.089,31.411 h1.78
  text "USB" at -21.254,29.911 h1.78
  text "24 /  /  /  /  /  /  /  /  /  /  / 1" at 16.575,19.542 h1.78
  text "TX" at -21.089,8.918 h1.78
  text "RX" at -20.037,7.431 h1.78
  text "1  0  I2C" at 14,-39.785 h1.78
  text "PIC" at -24.339,-40.589 h1.78
  text "Shin Strap" at -13.542,-48.584 h1.78 r270
Top Solder:
  lines w0.762: -17,-10 -23,-10 -23,-34 5,-34 5,-10 -7,-10 ; -12.5,42 -12.5,55.75 -1.232,55.75 ; -10.5,-58 -10.5,-39 8.5,-39 ; -5.5,17 -7,17 -7,-7 25,-7 25,17 15,17 ; -1.5,55.75 7.5,55.75 7.5,54.75 ; 3.5,-58 15.5,-58 15.5,-39 12.5,-39 ; 3.5,17 4.5,17 ; 7.5,36 7.5,35 -12.5,35 ; 7.5,38 7.5,52 ; -12.5,35 -12.5,40 ; -12.5,35 -12.5,35 ; -12.5,40 -12.5,40

## Text inside footprints (layer, text, board x,y; h text height)
BT1: Bottom Overlay "18650" at 3.273,11.753 h10 r90